# Allegro board Sparrow Reference Sensor PCB v1.1.brd
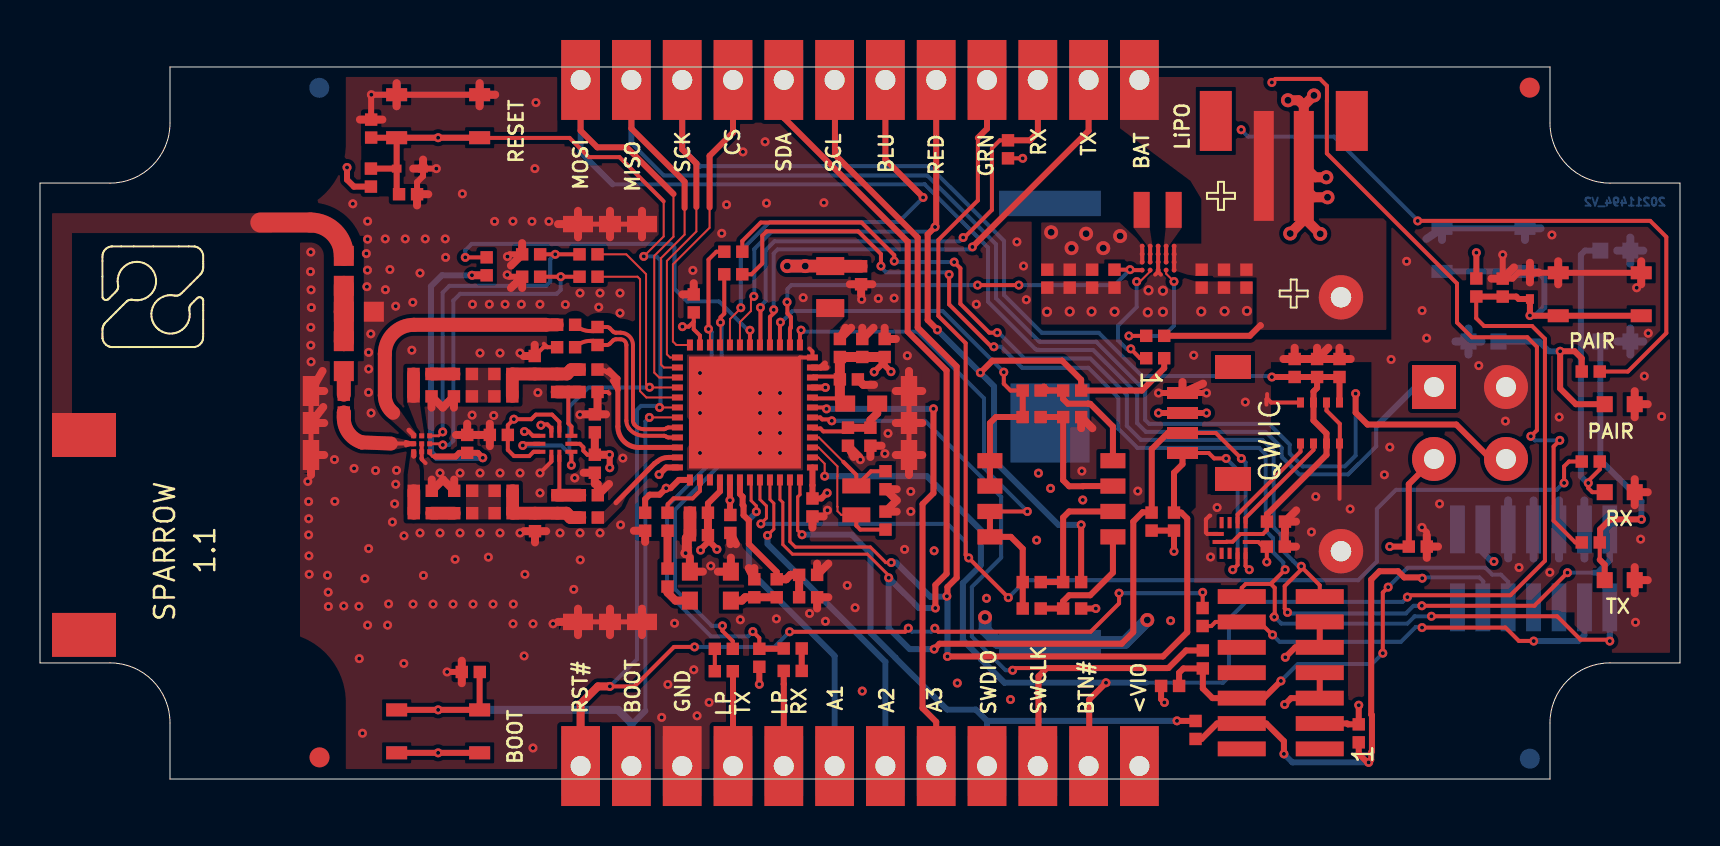
[diagram p0: board, top side]
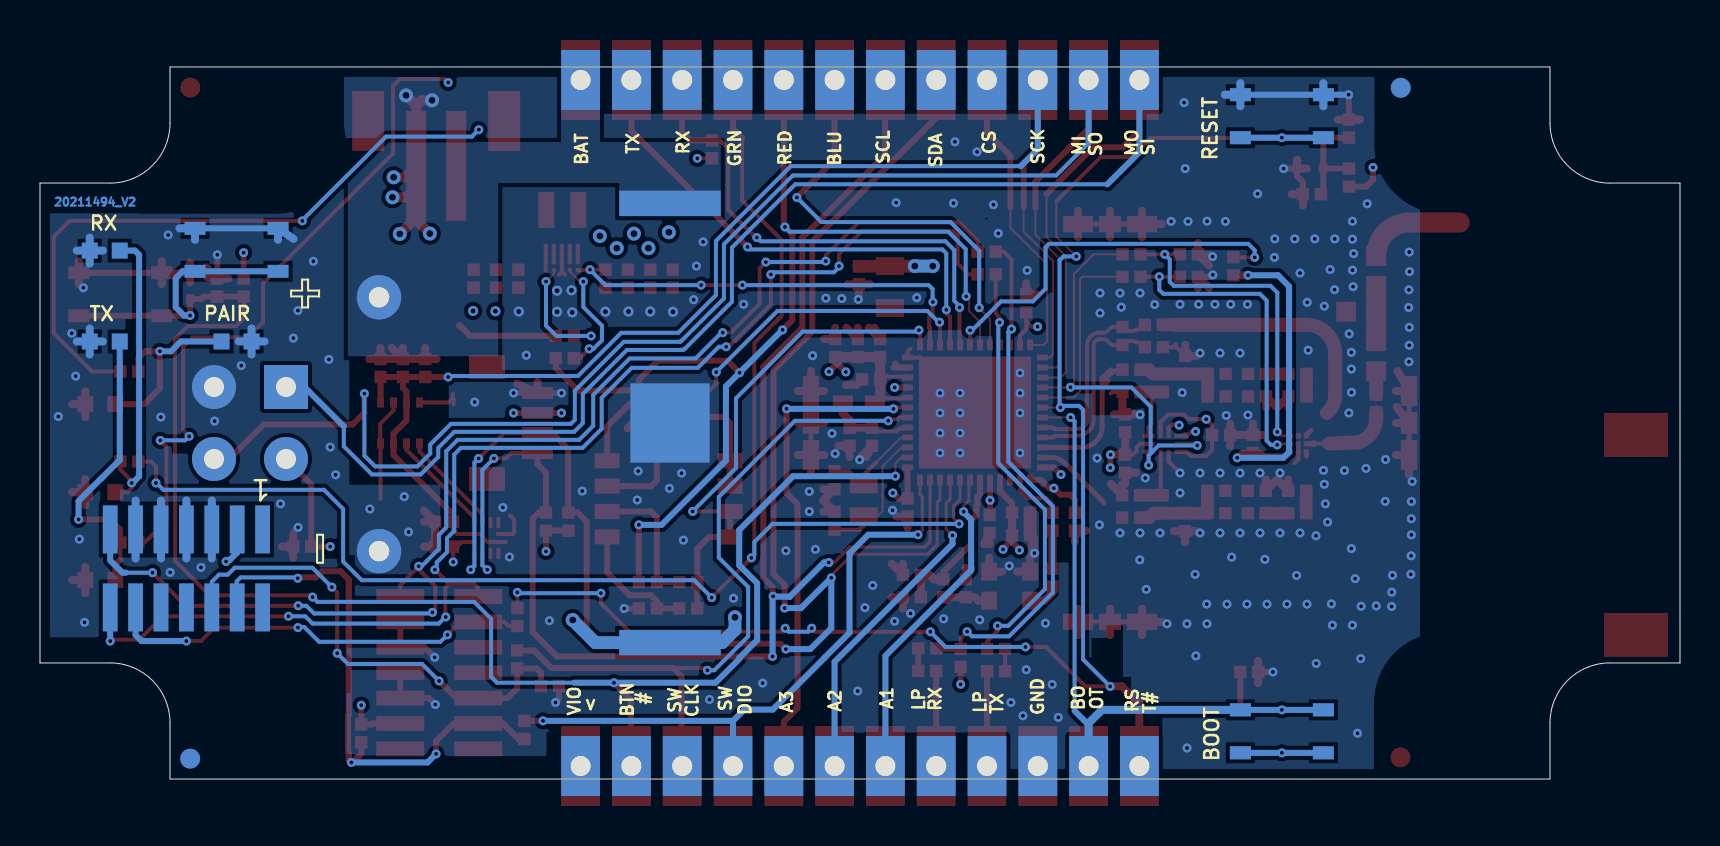
[diagram p1: board, bottom side, seen from below]

Outline 82 x 35.62 mm; copper layers: TOP, GND, POWER, BOTTOM. Coordinates in mm from the lower left corner of the outline.
Outline path: 0,29.81 3.5,29.81 arc(5.62,30.69) 6.5,32.81 6.5,35.62 75.5,35.62 75.5,32.81 arc(76.38,30.69) 78.5,29.81 82,29.81 82,5.81 78.5,5.81 arc(76.38,4.93) 75.5,2.81 75.5,0 6.5,0 6.5,2.81 arc(5.62,4.93) 3.5,5.81 0,5.81 0,29.81

## Design rules (mm)
constraint set DEFAULT: 
net group RFI_100: nets RFI+ RFI-

## Placement (name value [footprint] x y rotation side)
ANT1  NN02-224  [ANT-NN02-224]  2.2 12.21 90 top
BAT1  2468  [BATHLD-2468-NOMECC]  41.15 17.75 0 bottom
BAT2  NU  [BATHLD-3034-2032]  50.5 17.81 270 bottom
C1  22u/6.3V/X5R  [CS-C-0402]  52.61 25.03 270 top
C2  1u/16V-X5R  [CS-C-0402]  51.49 25.03 270 top
C3  100n/16V  [CS-C-0402]  50.37 25.03 270 top
C4  10u/6.3V-X5R  [CS-C-0402]  60.32 25.03 270 top
C5  1u/16V-X5R  [CS-C-0402]  59.2 25.03 270 top
C6  100n/16V  [CS-C-0402]  58.08 25.03 270 top
C7  100n/16V  [CS-C-0402]  53.73 25.03 270 top
C8  100n/16V  [CS-C-0402]  64.97 20.56 90 top
C9  100n/16V  [CS-C-0402]  63.85 20.56 90 top
C10  4.7u/6.3V-X5R  [CS-C-0402]  42.23 21.56 270 top
C11  100n/16V  [CS-C-0402]  41.11 21.56 270 top
C12  4.7u/6.3V-X5R  [CS-C-0402]  41.52 17.12 90 top
C13  100n/16V  [CS-C-0402]  40.4 17.12 90 top
C14  100n/16V  [CS-C-0402]  38.62 13.58 90 top
C15  4p/50V-C0G  [CS-C-0402]  42.27 14.95 90 top
C16  4p/50V-C0G  [CS-C-0402]  42.27 12.93 270 top
C17  10p/50V-NP0  [CS-C-0402]  31.38 12.87 270 top
C18  3.6p/50V-C0G  [CS-C-0402]  26.31 22.72 0 top
C19  100n/16V  [CS-C-0402]  39.99 21.56 90 top
C20  4.7u/6.3V-X5R  [CS-C-0402]  40.44 19.99 0 top
C22  100n/16V  [CS-C-0402]  73.14 24.58 90 top
C23  100n/16V  [CS-C-0402]  18.4 29.25 0 top
C24  68p/50V-C0G  [CS-C-0402]  27.74 15.77 270 top
C25  100n/16V  [CS-C-0402]  32.95 12.2 0 top
C26  33p/50V-C0G  [CS-C-0402]  32.95 13.32 180 top
C27  470n/10V-X5R  [CS-C-0402]  41.05 25.2 270 top
C28  100n/16V  [CS-C-0402]  38.41 9.09 0 top
C29  100n/16V  [CS-C-0402]  16.56 32.54 90 top
C30  33p/50V-C0G  [CS-C-0402]  34.52 12.76 270 top
C31  33p/50V-C0G  [CS-C-0402]  30.26 12.87 270 top
C32  100n/16V  [CS-C-0402]  35.72 9.54 90 top
C33  47n/25V  [CS-C-0402]  27.74 17.79 90 top
C34  47p/50V-C0G  [CS-C-0402]  38.41 10.21 0 top
C35  2.7p/50V-C0G  [CS-C-0402]  26.31 21.6 0 top
C36  2.7p/50V-C0G  [CS-C-0402]  23.17 19.14 180 top
C37  33p/50V-C0G  [CS-C-0402]  21.15 20.26 180 top
C38  2.4p/50V-C0G  [CS-C-0402]  23.18 14.42 0 top
C39  33p/50V-C0G  [CS-C-0402]  21.16 13.3 180 top
C40  100n/16V  [CS-C-0402]  22.94 17.21 180 top
C41  33p/50V-C0G  [CS-C-0402]  27.43 19.36 0 top
C42  33p/50V-C0G  [CS-C-0402]  27.44 14.2 0 top
C43  6.8p/50V-C0G  [CS-C-0402]  24.75 12.85 270 top
C44  5.6p/50V-C0G  [CS-C-0402]  24.74 20.71 90 top
C45  3.9p/50V-C0G  [CS-C-0402]  21.16 14.42 180 top
C46  3.3p/50V-C0G  [CS-C-0402]  21.15 19.14 180 top
C47  2.7p/50V-C0G  [CS-C-0402]  19.14 14.42 0 top
C48  1.3p/50V-C0G  [CS-C-0402]  19.13 19.14 0 top
C49  100n/16V  [CS-C-0402]  68.89 11.63 0 top
C50  1n/50V  [CS-C-0402]  24.56 26.25 180 top
C51  1n/50V  [CS-C-0402]  24.56 25.13 180 top
C52  1n/50V  [CS-C-0402]  21.36 16.76 90 top
C53  100n/16V  [CS-C-0402]  32.69 23.79 90 top
C54  100n/16V  [CS-C-0402]  61.8 12.88 0 top
C55  100n/16V  [CS-C-0402]  61.79 11.63 0 top
DSW1  DIP-SW-MCDHN-04F-T-V  [DSS-4-0127-MCDHN]  50.57 14.02 270 top
FID1  TPS  [FIDUCIAL]  13.98 1.08 0 top
FID2  TPS  [FIDUCIAL]  74.48 34.59 0 top
FID3  TPS  [FIDUCIAL]  13.96 34.58 180 bottom
FID4  TPS  [FIDUCIAL]  74.49 1.02 180 bottom
J1  00718  [J-12-0254-FDT-H0508_EDGE]  41 1.3 180 bottom
J2  00718  [J-12-0254-FDT-H0508_EDGE]  41 34.32 0 bottom
J3  NU  [J-2-0200-MDS-B2B-PH-SM4]  64.19 30.67 0 top
J4  NU  [J-4-0100-MDS-SH]  57.12 19.31 270 top
J5  21691  [J-7X2-0127-MDS-21691]  74.68 10.54 0 bottom
J6  NU  [J-7X2-0127-MDS-21691]  62.04 5.32 90 top
L1  1285AS-H-2R2M=P2  [LS-0806]  55.88 28.47 0 top
L2  BLM18AG102SN1  [LS-0603]  41.06 18.78 0 top
L3  LQM21DN150M70L  [LS-0805]  39.51 24.61 90 top
L4  0R  [RS-0402]  36.84 9.54 270 top
L5  MLG1005S11NJT000  [LS-0402]  27.88 22.16 90 top
L6  L-07C3N3SV6T  [LS-0402]  27.43 20.48 0 top
L7  PE-0402CL3N6STT  [LS-0402]  27.44 13.08 0 top
L8  LQW15AN47NJ00D  [LS-0402]  25.86 19.81 90 top
L9  LQG15HS3N0S02D  [LS-0402]  23.17 20.26 180 top
L10  LQG15WZ8N7J02D  [LS-0402]  19.13 20.26 180 top
L11  LQW15AN47NJ00D  [LS-0402]  25.87 13.75 270 top
L12  L-07C3N3SV6T  [LS-0402]  23.18 13.3 180 top
L13  L-07C6N8JV6T  [LS-0402]  19.14 13.3 180 top
L14  LQW18AN12NG80  [FRACTUS-0404]  15.19 25.42 270 top
L15  LQW15AN4N5G80D  [FRACTUS-0404]  15.94 23.38 0 top
LD1  NU  [LD-0603]  78.99 9.95 180 top
LD2  NU  [LD-0603]  78.99 14.35 180 top
LD3  NU  [LD-0603]  78.99 18.75 180 top
LD4  GENERIC  [LD-0603]  78.76 21.89 180 bottom
LD5  GENERIC  [LD-0603]  78.76 26.44 180 bottom
LD6  LBQ39E  [LD-0603]  72.17 21.89 0 bottom
NOREF  -  []  27.65 7.45 0 top
NOREF#2  -  []  32.49 10.37 0 top
NOREF#3  -  []  42.9 17.4 0 top
NOREF#4  -  []  18.68 16.77 90 top
NOREF#5  -  []  78.41 26.84 0 top
NOREF#6  -  []  73.6 24.87 0 top
NOREF#7  -  []  16.55 29.63 90 top
NOREF#8  -  []  40.09 17.88 0 top
NOREF#9  -  []  27.74 17.34 90 top
NOREF#10  -  []  36.88 5.72 0 top
NOREF#11  -  []  55.62 20.74 90 top
NOREF#12  -  []  50.68 24.27 90 top
NOREF#13  -  []  17.31 31.76 90 top
NOREF#14  -  []  42.58 12.17 90 top
NOREF#15  -  []  18.37 20.57 0 top
NOREF#16  -  []  22.8 16.9 90 top
NOREF#17  -  []  14.69 22.88 0 top
NOREF#18  -  []  75.39 23.5 90 top
NOREF#19  -  []  37.96 9.09 0 top
NOREF#20  -  []  49.45 19.12 90 top
NOREF#21  -  []  32.81 13.01 90 top
NOREF#22  -  []  48.83 18.42 0 top
NOREF#23  -  []  58.14 5.53 90 top
NOREF#24  -  []  26.67 26.56 0 top
NOREF#25  -  []  40.58 20.3 0 top
NOREF#26  -  []  38.4 6.22 90 top
NOREF#27  -  []  16.86 29.32 90 top
NOREF#28  -  []  42.9 17.4 0 top
NOREF#29  -  []  18.36 31.76 0 top
NOREF#30  -  []  23.32 14.73 0 top
NOREF#31  -  []  24.11 26.25 0 top
NOREF#32  -  []  73.3 16.01 90 top
NOREF#33  -  []  31.38 12.42 90 top
NOREF#34  -  []  76.44 22.85 0 top
NOREF#35  -  []  68.96 3.84 0 top
NOREF#36  -  []  26.45 23.03 0 top
NOREF#37  -  []  32.49 8.92 90 top
NOREF#38  -  []  26.18 12.99 90 top
NOREF#39  -  []  60.25 15.91 90 top
NOREF#40  -  []  48.71 30.74 90 top
NOREF#41  -  []  21.46 3.13 0 top
NOREF#42  -  []  41.52 16.67 90 top
NOREF#43  -  []  26.45 21.91 0 top
NOREF#44  -  []  57.12 16.31 0 top
NOREF#45  -  []  18.36 32.53 90 top
NOREF#46  -  []  66.25 1.53 90 top
NOREF#47  -  []  18.46 34.26 0 top
NOREF#48  -  []  57.83 6.74 0 top
NOREF#49  -  []  26.15 27.35 0 top
NOREF#50  -  []  27.95 7.45 0 top
NOREF#51  -  []  18.69 14.42 0 top
NOREF#52  -  []  24.97 16.37 0 top
NOREF#53  -  []  51.16 8.53 0 top
NOREF#54  -  []  48.4 31.05 90 top
NOREF#55  -  []  3.3 15.61 90 top
NOREF#56  -  []  17.41 32.06 0 top
NOREF#57  -  []  21.46 31.63 90 top
NOREF#58  -  []  34.81 26.69 0 top
NOREF#59  -  []  77.09 20.38 0 top
NOREF#60  -  []  78.64 19.15 0 top
NOREF#61  -  []  22.51 0.86 90 top
NOREF#62  -  []  21.46 32.41 90 top
NOREF#63  -  []  14.69 20.91 0 top
NOREF#64  -  []  32.38 24.55 0 top
NOREF#65  -  []  25.06 12.09 90 top
NOREF#66  -  []  47.5 14.65 90 top
NOREF#67  -  []  25.87 13.3 90 top
NOREF#68  -  []  65.63 2.15 0 top
NOREF#69  -  []  21.02 12.99 90 top
NOREF#70  -  []  69.55 24.67 90 top
NOREF#71  -  []  40.8 21.42 0 top
NOREF#72  -  []  27.57 20.79 0 top
NOREF#73  -  []  31.69 12.11 90 top
NOREF#74  -  []  0 5.81 0 top
NOREF#75  -  []  14.69 21.41 90 top
NOREF#76  -  []  17.41 32.06 0 top
NOREF#77  -  []  26.99 13.08 0 top
NOREF#78  -  []  60.25 14.11 90 top
NOREF#79  -  []  22.72 19.14 0 top
NOREF#80  -  []  38.05 15.54 90 top
NOREF#81  -  []  73.9 23.57 0 top
NOREF#82  -  []  17.31 3.13 0 top
NOREF#83  -  []  32.45 15.54 0 top
NOREF#84  -  []  40.44 12.51 0 top
NOREF#85  -  []  59.25 21.51 0 top
NOREF#86  -  []  42.58 15.09 90 top
NOREF#87  -  []  24.87 16.87 90 top
NOREF#88  -  []  53.27 12.74 0 top
NOREF#89  -  []  39.99 19.99 0 top
NOREF#90  -  []  71.51 25.35 0 top
NOREF#91  -  []  58.08 24.58 90 top
NOREF#92  -  []  52.37 17.8 90 top
NOREF#93  -  []  41.2 19.68 90 top
NOREF#94  -  []  32.19 13.63 0 top
NOREF#95  -  []  77.4 20.07 90 top
NOREF#96  -  []  57.99 31.42 90 top
NOREF#97  -  []  33.74 5.39 0 top
NOREF#98  -  []  54.68 27.57 0 top
NOREF#99  -  []  48.83 10.16 0 top
NOREF#100  -  []  41.92 21.42 0 top
NOREF#101  -  []  26.98 26.25 0 top
NOREF#102  -  []  49.14 9.85 0 top
NOREF#103  -  []  25.86 22.72 0 top
NOREF#104  -  []  80.14 18.35 90 top
NOREF#105  -  []  42.27 12.48 90 top
NOREF#106  -  []  18.36 0.86 90 top
NOREF#107  -  []  22.42 13.61 0 top
NOREF#108  -  []  1.1 5.61 0 top
NOREF#109  -  []  62.42 20.42 0 top
NOREF#110  -  []  28.19 24.82 90 top
NOREF#111  -  [unnamed#2]  11.79 3.84 0 top
NOREF#112  -  []  27.88 21.71 90 top
NOREF#113  -  []  27.07 21.29 90 top
NOREF#114  -  []  36.28 5.31 90 top
NOREF#115  -  []  47.5 12.11 0 top
NOREF#116  -  []  39.68 22.32 0 top
NOREF#117  -  []  14.69 25.67 90 top
NOREF#118  -  []  75.49 23.15 0 top
NOREF#119  -  []  27.03 34.97 0 top
NOREF#120  -  []  51.75 8.84 0 top
NOREF#121  -  []  33.09 12.51 0 top
NOREF#122  -  []  23.03 19.95 90 top
NOREF#123  -  []  64.66 21.32 0 top
NOREF#124  -  []  16.87 32.68 90 top
NOREF#125  -  []  55.31 22.17 0 top
NOREF#126  -  []  30.85 27.35 90 top
NOREF#127  -  []  19.39 30.33 90 top
NOREF#128  -  []  49.14 19.43 0 top
NOREF#129  -  []  65.94 1.84 90 top
NOREF#130  -  []  17.31 3.13 90 top
NOREF#131  -  []  28.19 22.3 90 top
NOREF#132  -  []  71.82 22.29 0 top
NOREF#133  -  []  34.14 9.92 90 top
NOREF#134  -  []  51.75 10.16 0 top
NOREF#135  -  []  71.02 21.49 0 top
NOREF#136  -  []  52.3 24.89 0 top
NOREF#137  -  []  21.46 0.98 90 top
NOREF#138  -  []  20.71 13.3 0 top
NOREF#139  -  []  39.17 8.78 90 top
NOREF#140  -  []  19.27 19.45 0 top
NOREF#141  -  []  49.45 8.22 90 top
NOREF#142  -  []  27.58 14.51 0 top
NOREF#143  -  []  56.39 12.74 0 top
NOREF#144  -  []  18.56 16.49 0 top
NOREF#145  -  []  51.75 19.74 0 top
NOREF#146  -  []  23.03 18.83 90 top
NOREF#147  -  []  32.5 13.32 0 top
NOREF#148  -  []  55.62 21.86 90 top
NOREF#149  -  []  59.2 24.58 90 top
NOREF#150  -  []  27.57 22.92 0 top
NOREF#151  -  []  24.43 21.47 0 top
NOREF#152  -  [unnamed#2]  70.21 31.78 0 top
NOREF#153  -  []  38.55 10.52 0 top
NOREF#154  -  []  65.28 20.7 90 top
NOREF#155  -  []  17.31 3.13 0 top
NOREF#156  -  []  73.32 21.49 90 top
NOREF#157  -  []  62.73 16.66 0 top
NOREF#158  -  []  76.54 25.35 0 top
NOREF#159  -  []  16.25 33.3 0 top
NOREF#160  -  []  50.06 24.89 0 top
NOREF#161  -  []  32.5 12.2 0 top
NOREF#162  -  []  24.74 20.26 90 top
NOREF#163  -  []  34.52 12.31 90 top
NOREF#164  -  []  16.56 32.09 90 top
NOREF#165  -  []  80.14 9.55 90 top
NOREF#166  -  []  56.83 18.54 0 top
NOREF#167  -  []  55.31 21.05 0 top
NOREF#168  -  []  18.68 19.14 0 top
NOREF#169  -  []  56.7 12.43 90 top
NOREF#170  -  []  58.39 24.27 90 top
NOREF#171  -  []  42.36 18.38 90 top
NOREF#172  -  []  57.25 21.01 90 top
NOREF#173  -  []  22.73 14.42 0 top
NOREF#174  -  []  51.16 9.85 0 top
NOREF#175  -  []  73.45 24.72 90 top
NOREF#176  -  []  61.19 30.67 0 top
NOREF#177  -  []  17.28 31.36 90 top
NOREF#178  -  []  42.7 15.8 0 top
NOREF#179  -  []  25.05 20.85 90 top
NOREF#180  -  []  51.75 18.42 0 top
NOREF#181  -  []  52.1 17.72 0 top
NOREF#182  -  []  69.65 11.32 90 top
NOREF#183  -  []  55.11 25.86 90 top
NOREF#184  -  []  17.31 31.76 0 top
NOREF#185  -  []  22.3 5.05 90 top
NOREF#186  -  []  59.08 12.83 0 top
NOREF#187  -  []  18.69 13.3 0 top
NOREF#188  -  []  26.47 17.07 0 top
NOREF#189  -  []  31.07 12.73 0 top
NOREF#190  -  []  75.4 24.47 90 top
NOREF#191  -  []  57.82 8.86 0 top
NOREF#192  -  []  64.97 20.11 90 top
NOREF#193  -  []  63.69 27.92 90 top
NOREF#194  -  []  27.57 25.44 0 top
NOREF#195  -  []  75.5 0 90 top
NOREF#196  -  []  59.05 14.11 0 top
NOREF#197  -  []  56.28 29.37 0 top
NOREF#198  -  []  34.14 9.92 0 top
NOREF#199  -  []  27.43 18.55 0 top
NOREF#200  -  []  26.15 7.45 0 top
NOREF#201  -  []  72.83 25.34 0 top
NOREF#202  -  []  47.5 14.65 90 top
NOREF#203  -  []  38.55 9.4 0 top
NOREF#204  -  []  18.46 3.48 0 top
NOREF#205  -  []  49.45 17.8 90 top
NOREF#206  -  []  35.42 24.94 90 top
NOREF#207  -  []  31.87 16.59 90 top
NOREF#208  -  []  21.68 5.67 0 top
NOREF#209  -  []  73.6 24.47 0 top
NOREF#210  -  []  35.97 5.62 90 top
NOREF#211  -  []  62.56 12.57 90 top
NOREF#212  -  []  26.98 20.48 0 top
NOREF#213  -  []  22.02 26.41 0 top
NOREF#214  -  []  77.09 15.88 0 top
NOREF#215  -  []  80.59 23.62 90 top
NOREF#216  -  []  17.39 31.13 0 top
NOREF#217  -  []  18.46 34.26 0 top
NOREF#218  -  []  31.72 19.31 0 top
NOREF#219  -  []  52.37 9.54 90 top
NOREF#220  -  []  24.75 12.4 90 top
NOREF#221  -  []  36.84 9.09 90 top
NOREF#222  -  []  57.99 31.42 0 top
NOREF#223  -  []  34.33 5.7 0 top
NOREF#224  -  []  57.26 4.35 90 top
NOREF#225  -  []  37.72 15.11 0 top
NOREF#226  -  []  37.5 5.1 90 top
NOREF#227  -  []  27.74 15.32 90 top
NOREF#228  -  []  17.39 29.93 90 top
NOREF#229  -  []  57.12 16.31 90 top
NOREF#230  -  []  23.94 14.11 90 top
NOREF#231  -  []  42.23 21.11 90 top
NOREF#232  -  []  61.35 12.88 0 top
NOREF#233  -  []  18.38 13.61 0 top
NOREF#234  -  []  14.3 19 90 top
NOREF#235  -  []  17.31 31.76 0 top
NOREF#236  -  []  71.82 24.14 90 top
NOREF#237  -  []  63.85 20.11 90 top
NOREF#238  -  []  60.32 24.58 90 top
NOREF#239  -  []  60.63 24.27 90 top
NOREF#240  -  []  17.28 31.36 90 top
NOREF#241  -  []  40.71 17.26 90 top
NOREF#242  -  []  55 21.36 0 top
NOREF#243  -  []  41.36 24.44 90 top
NOREF#244  -  []  73.72 24.95 90 top
NOREF#245  -  []  35.66 5.93 0 top
NOREF#246  -  []  76.78 20.69 0 top
NOREF#247  -  []  28.05 15.01 90 top
NOREF#248  -  []  42.54 20.8 90 top
NOREF#249  -  []  49.14 8.53 0 top
NOREF#250  -  []  18.99 19.95 90 top
NOREF#251  -  []  69.67 25.37 0 top
NOREF#252  -  []  65.05 24.1 0 top
NOREF#253  -  []  73.14 24.13 90 top
NOREF#254  -  []  59.18 11.01 90 top
NOREF#255  -  []  17.31 0.98 90 top
NOREF#256  -  []  31.38 9.63 90 top
NOREF#257  -  []  52.37 8.22 90 top
NOREF#258  -  []  63.04 19.8 90 top
NOREF#259  -  []  24.97 16.77 90 top
NOREF#260  -  []  17.28 0.58 0 top
NOREF#261  -  []  15.69 23.88 0 top
NOREF#262  -  []  78.41 22.29 0 top
NOREF#263  -  []  62.12 15.27 90 top
NOREF#264  -  []  60.14 11.96 0 top
NOREF#265  -  []  51.8 24.27 90 top
NOREF#266  -  []  14.69 21.41 0 top
NOREF#267  -  []  30.85 7.45 90 top
NOREF#268  -  []  40.74 25.06 0 top
NOREF#269  -  []  78.64 10.35 0 top
NOREF#270  -  []  41.42 20.8 90 top
NOREF#271  -  []  17.28 31.36 0 top
NOREF#272  -  []  34.21 12.62 0 top
NOREF#273  -  []  75.39 22.72 90 top
NOREF#274  -  []  32.69 23.34 90 top
NOREF#275  -  []  39.23 1.3 0 top
NOREF#276  -  []  25.86 19.36 90 top
NOREF#277  -  []  77.84 13.95 0 top
NOREF#278  -  []  44.2 19 90 top
NOREF#279  -  []  22.33 25.2 90 top
NOREF#280  -  []  62.73 20.11 90 top
NOREF#281  -  []  39.96 24.96 90 top
NOREF#282  -  []  62.77 16.61 0 top
NOREF#283  -  []  26.99 14.2 0 top
NOREF#284  -  []  48.83 8.84 0 top
NOREF#285  -  []  34.83 12 90 top
NOREF#286  -  []  30.57 12.11 90 top
NOREF#287  -  []  70.72 27.57 0 top
NOREF#288  -  []  21.01 18.83 90 top
NOREF#289  -  []  38.62 13.13 90 top
NOREF#290  -  []  32.22 14.81 0 top
NOREF#291  -  []  52.37 19.12 90 top
NOREF#292  -  []  21.46 3.13 90 top
NOREF#293  -  []  69.03 11.94 0 top
NOREF#294  -  []  61.94 13.19 0 top
NOREF#295  -  []  31.69 9.32 90 top
NOREF#296  -  []  34.05 6.2 90 top
NOREF#297  -  []  17.28 0.58 90 top
NOREF#298  -  []  17.41 1.28 0 top
NOREF#299  -  []  36.03 9.68 90 top
NOREF#300  -  []  24.44 12.71 0 top
NOREF#301  -  []  38.88 15.27 0 top
NOREF#302  -  []  1.1 15.61 0 top
NOREF#303  -  []  19.08 17.17 0 top
NOREF#304  -  []  69.55 24.67 0 top
NOREF#305  -  []  77.84 9.55 0 top
NOREF#306  -  []  59.18 11.57 90 top
NOREF#307  -  []  21.01 19.95 90 top
NOREF#308  -  []  38.31 14.34 0 top
NOREF#309  -  []  64.16 20.7 90 top
NOREF#310  -  []  41.11 21.11 90 top
NOREF#311  -  []  41.83 17.26 90 top
NOREF#312  -  []  21.46 31.76 0 top
NOREF#313  -  []  26.98 25.13 0 top
NOREF#314  -  []  35.41 10.3 0 top
NOREF#315  -  []  22.41 19.45 0 top
NOREF#316  -  []  28.05 17.93 90 top
NOREF#317  -  []  39.71 13.24 90 top
NOREF#318  -  []  78.64 14.75 0 top
NOREF#319  -  []  21.05 17.52 0 top
NOREF#320  -  []  53.42 24.89 0 top
NOREF#321  -  []  68.96 31.78 0 top
NOREF#322  -  []  60.43 11.86 90 top
NOREF#323  -  []  14.69 25.17 0 top
NOREF#324  -  []  34.22 26.38 0 top
NOREF#325  -  []  27.43 15.63 0 top
NOREF#326  -  []  68.44 11.63 0 top
NOREF#327  -  []  73.72 25.07 90 top
NOREF#328  -  []  34.95 5.08 90 top
NOREF#329  -  []  55.11 25.34 90 top
NOREF#330  -  []  28.19 19.05 90 top
NOREF#331  -  []  33.74 6.51 0 top
NOREF#332  -  [unnamed#2]  70.21 3.84 0 top
NOREF#333  -  []  52.92 24.27 90 top
NOREF#334  -  []  56.05 4.66 0 top
NOREF#335  -  []  21.67 16.9 90 top
NOREF#336  -  []  55.51 26.66 0 top
NOREF#337  -  []  58.09 2.59 90 top
NOREF#338  -  []  23.8 26.56 0 top
NOREF#339  -  []  22.64 25.79 90 top
NOREF#340  -  []  58.89 24.89 0 top
NOREF#341  -  []  65.05 11.4 90 top
NOREF#342  -  []  40.3 21.7 90 top
NOREF#343  -  []  58.44 8.24 90 top
NOREF#344  -  []  27.65 27.35 0 top
NOREF#345  -  []  25.86 21.6 0 top
NOREF#346  -  []  22.51 32.53 90 top
NOREF#347  -  []  41.96 12.79 0 top
NOREF#348  -  []  24.42 24.82 90 top
NOREF#349  -  []  75.36 22.45 90 top
NOREF#350  -  []  17.28 31.36 0 top
NOREF#351  -  []  27.95 27.35 0 top
NOREF#352  -  []  48.52 15.83 0 top
NOREF#353  -  []  15.5 18.02 90 top
NOREF#354  -  []  30.26 12.42 90 top
NOREF#355  -  []  17.28 0.58 0 top
NOREF#356  -  []  62.75 16.66 90 top
NOREF#357  -  []  39.76 18.38 0 top
NOREF#358  -  []  55.27 12.74 0 top
NOREF#359  -  []  62.55 11.32 90 top
NOREF#360  -  []  51.16 19.43 0 top
NOREF#361  -  []  37.15 8.78 90 top
NOREF#362  -  []  13 17.4 0 top
NOREF#363  -  []  29.95 12.73 0 top
NOREF#364  -  []  19.89 18.83 90 top
NOREF#365  -  []  69.57 25.07 0 top
NOREF#366  -  []  61.34 11.63 0 top
NOREF#367  -  []  51.49 24.58 90 top
NOREF#368  -  []  21.46 31.76 90 top
NOREF#369  -  []  70.62 25.85 90 top
NOREF#370  -  []  12.9 2.61 90 top
NOREF#371  -  []  57.99 34.42 90 top
NOREF#372  -  []  48.09 31.36 0 top
NOREF#373  -  []  35.72 9.09 90 top
NOREF#374  -  []  28.2 13.89 90 top
NOREF#375  -  []  19.36 17.04 90 top
NOREF#376  -  []  25.55 20.57 0 top
NOREF#377  -  []  57.77 24.89 0 top
NOREF#378  -  []  79.91 26.04 90 top
NOREF#379  -  []  20.71 14.42 0 top
NOREF#380  -  []  22.18 17.52 0 top
NOREF#381  -  []  58.13 7.65 90 top
NOREF#382  -  []  20.39 20.57 0 top
NOREF#383  -  []  17.59 30.33 0 top
NOREF#384  -  []  33.43 6.82 0 top
NOREF#385  -  []  38.93 13.72 90 top
NOREF#386  -  []  21.46 3.01 90 top
NOREF#387  -  []  27.07 22.41 90 top
NOREF#388  -  []  39.06 24.96 0 top
NOREF#389  -  []  17.59 30.73 0 top
NOREF#390  -  []  77.68 12.14 0 top
NOREF#391  -  []  60.69 33.42 90 top
NOREF#392  -  []  19 12.99 90 top
NOREF#393  -  []  64.33 18.84 0 top
NOREF#394  -  []  49.45 9.54 90 top
NOREF#395  -  []  80.14 13.95 90 top
NOREF#396  -  []  22.41 20.57 0 top
NOREF#397  -  []  18.54 29.56 0 top
NOREF#398  -  []  17.41 1.28 0 top
NOREF#399  -  []  27.58 13.39 0 top
NOREF#400  -  []  41.05 24.75 90 top
NOREF#401  -  []  31.07 9.94 0 top
NOREF#402  -  []  55.58 12.43 90 top
NOREF#403  -  []  72.13 24.73 90 top
NOREF#404  -  []  34.8 25.56 0 top
NOREF#405  -  []  18.68 20.26 0 top
NOREF#406  -  []  20.4 13.61 0 top
NOREF#407  -  []  19.9 14.11 90 top
NOREF#408  -  []  37.96 10.21 0 top
NOREF#409  -  []  78.3 11.52 90 top
NOREF#410  -  []  21.02 14.11 90 top
NOREF#411  -  []  36.53 9.4 0 top
NOREF#412  -  []  78.3 15.57 90 top
NOREF#413  -  []  38.47 20.81 90 top
NOREF#414  -  []  23.04 12.99 90 top
NOREF#415  -  []  69.7 16.01 0 top
NOREF#416  -  []  73.72 25.72 90 top
NOREF#417  -  []  17.31 3.01 90 top
NOREF#418  -  []  12.8 15.8 0 top
NOREF#419  -  []  55 22.48 0 top
NOREF#420  -  []  53.73 24.58 90 top
NOREF#421  -  []  48.29 16.47 90 top
NOREF#422  -  []  39.99 21.11 90 top
NOREF#423  -  []  61.93 11.94 0 top
NOREF#424  -  []  77.84 18.35 0 top
NOREF#425  -  []  77.68 16.19 0 top
NOREF#426  -  []  41.21 17.88 0 top
NOREF#427  -  []  21.09 5.36 0 top
NOREF#428  -  []  19.16 28.94 90 top
NOREF#429  -  []  24.42 25.94 90 top
NOREF#430  -  []  77.61 21.49 0 top
NOREF#431  -  []  28.19 20.17 90 top
NOREF#432  -  []  14.88 18.64 0 top
NOREF#433  -  []  57.01 12.12 90 top
NOREF#434  -  []  77.61 26.04 0 top
NOREF#435  -  []  77.09 11.83 0 top
NOREF#436  -  []  60.18 12.55 0 top
NOREF#437  -  []  13 17.4 0 top
NOREF#438  -  []  50.37 24.58 90 top
NOREF#439  -  []  18.36 3.13 0 top
NOREF#440  -  []  18.46 3.48 0 top
NOREF#441  -  []  48.52 15.83 90 top
NOREF#442  -  []  47.5 15.92 0 top
NOREF#443  -  []  23.8 25.44 0 top
NOREF#444  -  []  37.19 5.41 0 top
NOREF#445  -  []  75.39 22.85 90 top
NOREF#446  -  []  69.57 25.07 0 top
NOREF#447  -  []  20.39 19.45 0 top
NOREF#448  -  []  14.69 22.88 90 top
NOREF#449  -  []  62.69 27.92 0 top
NOREF#450  -  []  33.71 11.89 90 top
NOREF#451  -  []  27.29 25.94 90 top
NOREF#452  -  []  26.98 19.36 0 top
NOREF#453  -  []  17.28 0.58 90 top
NOREF#454  -  []  17.31 31.63 90 top
NOREF#455  -  []  -93.65 -132.52 0 top
NOREF#456  -  []  14.69 25.67 0 top
NOREF#457  -  []  54.03 11.49 90 top
NOREF#458  -  []  42.27 14.5 90 top
NOREF#459  -  []  37.19 6.53 0 top
NOREF#460  -  []  39.51 23.56 90 top
NOREF#461  -  []  48.83 19.74 0 top
NOREF#462  -  []  16.24 29.94 0 top
NOREF#463  -  []  75.36 22.45 0 top
NOREF#464  -  []  56.64 4.97 0 top
NOREF#465  -  []  40.46 14.64 0 top
NOREF#466  -  []  55.89 12.12 90 top
NOREF#467  -  []  17.95 29.25 0 top
NOREF#468  -  []  72.8 19.61 0 top
NOREF#469  -  []  15.19 18.33 90 top
NOREF#470  -  []  33 23.93 90 top
NOREF#471  -  []  52.61 24.58 90 top
NOREF#472  -  []  24.11 25.13 0 top
NOREF#473  -  []  40.26 18.78 0 top
NOREF#474  -  []  57.08 27.57 90 top
NOREF#475  -  []  73.9 23.57 90 top
NOREF#476  -  []  10.54 3.84 0 top
NOREF#477  -  []  57.42 15.54 90 top
NOREF#478  -  []  51.16 18.11 0 top
NOREF#479  -  []  41.96 15.71 0 top
NOREF#480  -  []  39.17 9.9 90 top
NOREF#481  -  []  20.7 20.26 0 top
NOREF#482  -  []  63.54 21.32 0 top
NOREF#483  -  []  25.56 13.61 0 top
NOREF#484  -  []  22.49 17.21 0 top
NOREF#485  -  []  57.78 2 90 top
NOREF#486  -  []  22.73 13.3 0 top
NOREF#487  -  []  52.43 0.65 0 top
NOREF#488  -  []  49.14 18.11 0 top